# Altium PCB AMDC_uAMDC_Overlay.PcbDoc (part 2 of 6)
Units mil, origin at the board's own origin, x right, y up, seen from the top; angles counter-clockwise.
Board outline 4335 x 5120 mil, 6 copper layers (Top Layer, Int1 (GND), Int2 (Sign), Int3 (Sign), Int4 (PWR), Bottom Layer), stack 55.468 mil thick; 396 components, 471 nets, 2094 pads, 683 vias.
Unrouted connection lines stored in the file: 618.
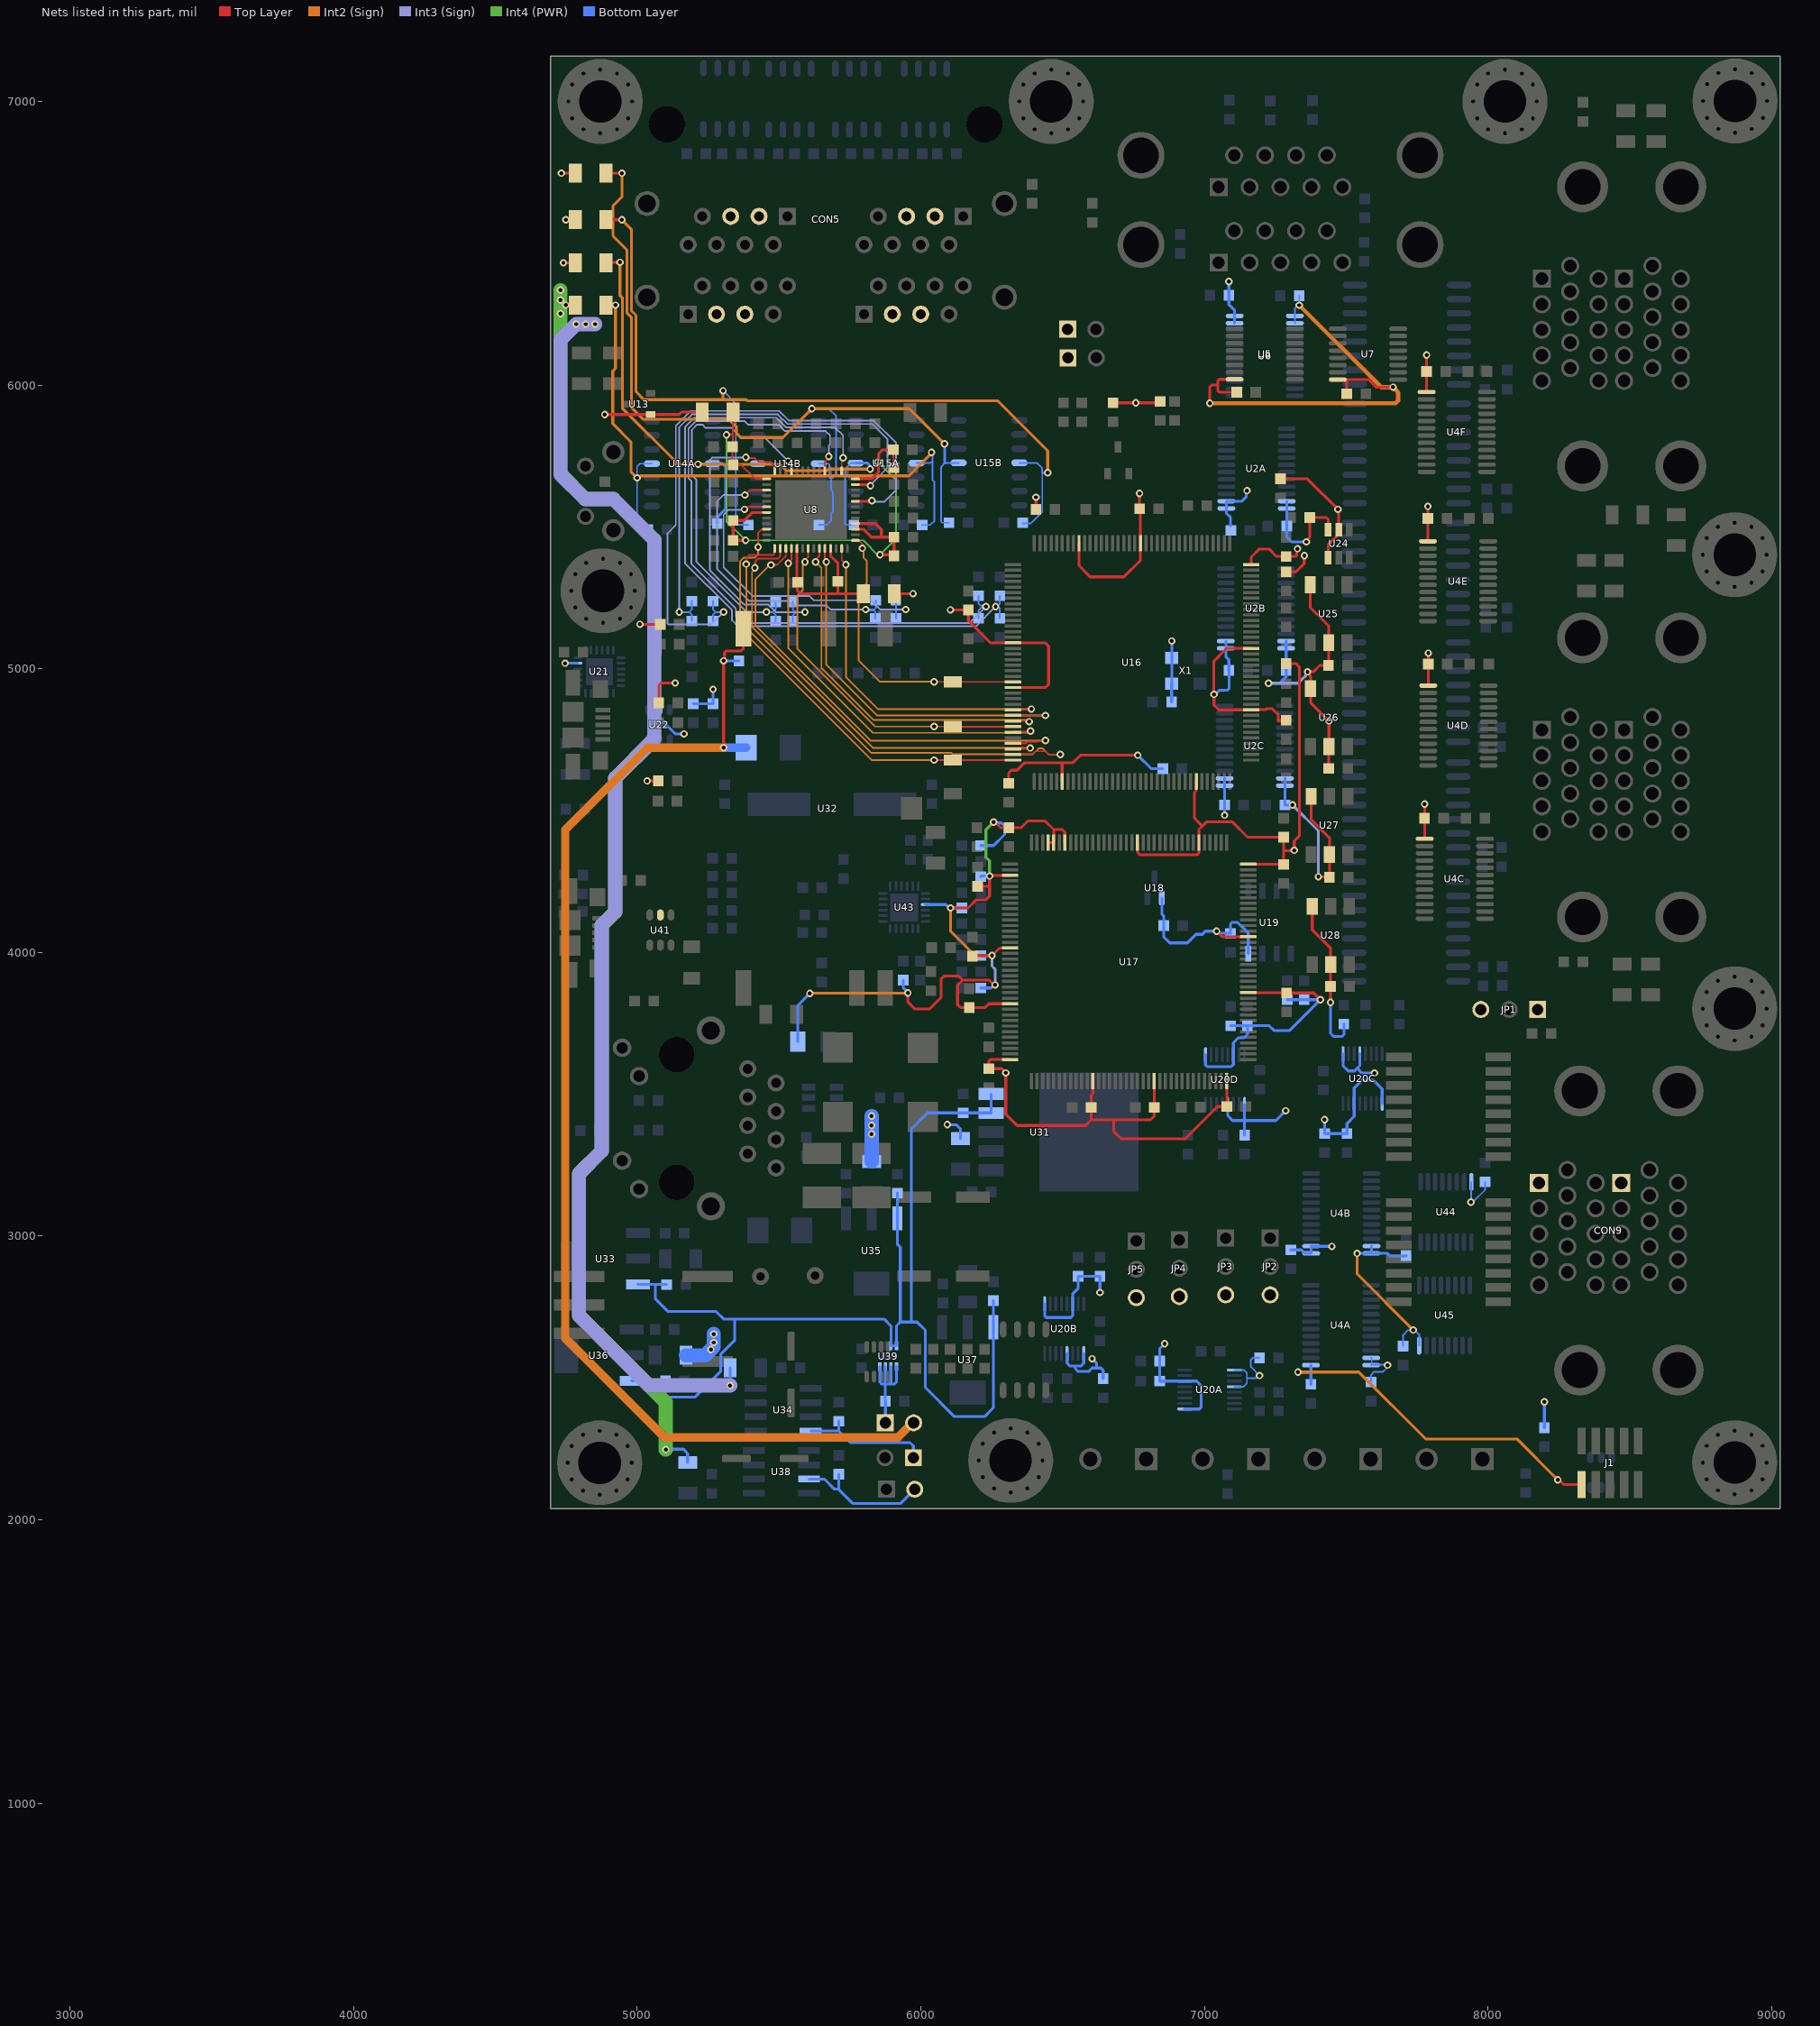
[diagram p5: the nets of this part, all layers, seen from the top]

## Footprints (in the part's own frame and the unit in brackets; to place one, negate y for a bottom-side part, rotate by r counter-clockwise, add the part's x,y. Pads: shape width x height; smd on the part's side, far side on the other; paste and mask are expansions set on the pad) (continued)
"SOIC16_N - wide" [mm]
  oval 2.2x0.6 smd: 1(0,0) 2(0,-1.27) 3(0,-2.54) 4(0,-3.81) 5(0,-5.08) 6(0,-6.35) 7(0,-7.62) 8(0,-8.89) 9(9.32,-8.89) 10(9.32,-7.62) 11(9.32,-6.35) 12(9.32,-5.08) 13(9.32,-3.81) 14(9.32,-2.54) 15(9.32,-1.27) 16(9.32,0)
  silkscreen extent -0.12,-9.45 7.62,0.97, body extent -0.55,-9.57 9.75,0.63, height 3.5
SOIC127P599X175-8N [mm]
  rect 1.97x0.6 smd: 1(-2.47,1.905) 2(-2.47,0.635) 3(-2.47,-0.635) 4(-2.47,-1.905) 5(2.47,-1.905) 6(2.47,-0.635) 7(2.47,0.635) 8(2.47,1.905)
  silkscreen extent -4.14,-2.52 1.95,2.52, body extent -1.96,-2.44 1.96,2.5, height 7.5
SOIC127P600X175-8N#1 [mm] "SOIC, 8-Leads, Body 4.90x3.90mm, Pitch 1.27mm, IPC Medium Density"
  oval 1.45x0.6 smd: 1(-2.725,1.905) 2(-2.725,0.635) 3(-2.725,-0.635) 4(-2.725,-1.905) 5(2.725,-1.905) 6(2.725,-0.635) 7(2.725,0.635) 8(2.725,1.905)
  silkscreen extent -2.85,-2.5 1.6,2.88, body extent -3,-2.5 3,2.5, height 1.75
SOIC127P600X175-8N#2 [mm]
  rect 1.422x0.533 smd: 1(-2.845,1.753) 2(-2.845,0.483) 3(-2.845,-0.787) 4(-2.845,-2.057) 5(2.743,-2.057) 6(2.743,-0.787) 7(2.743,0.483) 8(2.743,1.753)
  silkscreen extent -2.03,-2.72 1.93,2.41, body extent -2.08,-2.72 1.98,2.41, height 2
SOIC127P600X175-14N [mm] "SOIC, 14-Leads, Body 8.65x3.90mm, Pitch 1.27mm, IPC Medium Density"
  oval 1.45x0.6 smd: 1(-2.725,3.81) 2(-2.725,2.54) 3(-2.725,1.27) 4(-2.725,0) 5(-2.725,-1.27) 6(-2.725,-2.54) 7(-2.725,-3.81) 8(2.725,-3.81) 9(2.725,-2.54) 10(2.725,-1.27) 11(2.725,0) 12(2.725,1.27) 13(2.725,2.54) 14(2.725,3.81)
  silkscreen extent -2.85,-4.35 1.6,4.78, body extent -3,-4.35 3,4.35, height 1.75
SON50P200X80_HS-9N [mm] "SON, 8-Leads, Body 2.00x2.00mm, Pitch 0.50mm, Thermal Pad 1.60x0.69mm, IPC Medium Density"
  rect 0.8x0.3 smd: 1(-0.945,0.75) 2(-0.945,0.25) 3(-0.945,-0.25) 4(-0.945,-0.75) 5(0.945,-0.75) 6(0.945,-0.25) 7(0.945,0.25) 8(0.945,0.75)
  rect 0.69x1.6 smd: 9(0,0)
  silkscreen extent -1.5,-1.2 1.05,1.25, body extent -1.1,-1.05 1.1,1.05, height 0.8
SOT23-3 [mm] "SOT23, 3-Leads, Body 2.9x1.3mm, Pitch 0.95mm, Lead Span 2.3mm - Reverse Pinning, IPC High Density"
  rect 0.6x0.85 smd: 1(-0.888,-1.013) 2(1.012,-1.013) 3(0.062,1.137)
  silkscreen extent -1.44,-0.24 1.56,1.54, body extent -1.44,-0.64 1.56,0.76, height 1.1
SOT65P210X110-3N [mm]
  rrect50% 1.29x0.5 smd: 1(-0.815,0.732) 2(-0.815,-0.568) 3(1.005,0.082)
  silkscreen extent -2.08,-1.14 0.77,1.32, body extent -0.61,-1.12 0.76,1.32, height 1.6
SOT95P245X110-3N [mm] "SOT23, 3-Leads, Body 2.95x2.45mm, Pitch 0.95mm, IPC Medium Density"
  rect 1x0.6 smd: 1(-1.2,0.95) 2(-1.2,-0.95) 3(1.2,0)
  silkscreen extent -1.32,-1.55 0.7,1.92, body extent -1.3,-1.55 1.3,1.55, height 1.1
SOT95P280X145-6N [mm]
  rect 1.2x0.6 smd: 1(-1.25,0.95) 2(-1.25,0) 3(-1.25,-0.95) 4(1.25,-0.95) 5(1.25,0) 6(1.25,0.95)
  silkscreen extent -1.85,-1.45 0.3,1.6, body extent -0.76,-1.4 0.76,1.4, height 0.25
SOT230P700X180-4N#1 [mm] "SOT223, 4-Leads, Body 6.50x7.00mm (avg), Pitch 2.30mm, IPC Medium Density"
  rect 2.15x0.9 smd: 1(-2.925,2.3) 2(-2.925,0) 3(-2.925,-2.3)
  rect 2.15x3.2 smd: 4(2.925,0)
  silkscreen extent -3.05,-3.35 1.55,3.42, body extent -3.5,-3.35 3.5,3.35, height 1.8
SOT230P700X180-4N#2 [mm]
  rect 2.15x0.9 smd: 1(-2.941,2.307) 2(-2.941,0.007) 3(-2.941,-2.293)
  rect 2.15x3.2 smd: 4(2.909,0.007)
  silkscreen extent -3.07,-3.34 1.53,3.43, body extent -3.52,-3.34 3.48,3.36, height 1.8
TSOP65P280X100-8N [mm] "TSOP, 8-Leads, Body 2.90x1.60mm, Pitch 0.65mm, IPC Medium Density"
  oval 1.05x0.4 smd: 1(-1.325,0.975) 2(-1.325,0.325) 3(-1.325,-0.325) 4(-1.325,-0.975) 5(1.325,-0.975) 6(1.325,-0.325) 7(1.325,0.325) 8(1.325,0.975)
  silkscreen extent -1.45,-1.45 0.4,1.9, body extent -1.4,-1.45 1.4,1.45, height 1
TSOP65P640X120-16N [mm] "TSOP, 16-Leads, Body 5.00x4.40mm, Pitch 0.65mm, IPC Medium Density"
  oval 1.6x0.4 smd: 1(-2.7,2.275) 2(-2.7,1.625) 3(-2.7,0.975) 4(-2.7,0.325) 5(-2.7,-0.325) 6(-2.7,-0.975) 7(-2.7,-1.625) 8(-2.7,-2.275) 9(2.7,-2.275) 10(2.7,-1.625) 11(2.7,-0.975) 12(2.7,-0.325) 13(2.7,0.325) 14(2.7,0.975) 15(2.7,1.625) 16(2.7,2.275)
  silkscreen extent -2.83,-2.55 1.85,3.15, body extent -3.2,-2.55 3.2,2.55, height 1.2
TSOP65P640X120-24N [mm] "TSOP, 24-Leads, Body 7.80x4.40mm, Pitch 0.65mm, IPC Medium Density"
  oval 1.6x0.4 smd: 1(-2.7,3.575) 2(-2.7,2.925) 3(-2.7,2.275) 4(-2.7,1.625) 5(-2.7,0.975) 6(-2.7,0.325) 7(-2.7,-0.325) 8(-2.7,-0.975) 9(-2.7,-1.625) 10(-2.7,-2.275) 11(-2.7,-2.925) 12(-2.7,-3.575) 13(2.7,-3.575) 14(2.7,-2.925) 15(2.7,-2.275) 16(2.7,-1.625) 17(2.7,-0.975) 18(2.7,-0.325) 19(2.7,0.325) 20(2.7,0.975) 21(2.7,1.625) 22(2.7,2.275) 23(2.7,2.925) 24(2.7,3.575)
  silkscreen extent -2.82,-3.95 1.85,4.45, body extent -3.2,-3.95 3.2,3.95, height 1.2
TSOP95P280X110-6N [mm] "TSOP, 6-Leads, Body 3.00x1.50mm, Pitch 0.95mm, IPC Medium Density"
  oval 1x0.6 smd: 1(-1.35,0.95) 2(-1.35,0) 3(-1.35,-0.95) 4(1.35,-0.95) 5(1.35,0) 6(1.35,0.95)
  silkscreen extent -1.47,-1.55 0.45,1.93, body extent -1.38,-1.55 1.38,1.55, height 1.1
TSSOP50P490X110-16N [mm] "TSSOP, 16-Leads, Body 4.00x3.00mm, Pitch 0.50mm, IPC Medium Density"
  oval 1.35x0.254 smd mask+0.051: 1(-2.225,1.75) 2(-2.225,1.25) 3(-2.225,0.75) 4(-2.225,0.25) 5(-2.225,-0.25) 6(-2.225,-0.75) 7(-2.225,-1.25) 8(-2.225,-1.75) 9(2.225,-1.75) 10(2.225,-1.25) 11(2.225,-0.75) 12(2.225,-0.25) 13(2.225,0.25) 14(2.225,0.75) 15(2.225,1.25) 16(2.225,1.75)
  silkscreen extent -2.35,-2.05 1.15,2.57, body extent -2.45,-2.05 2.45,2.05, height 1.1
XTAL_ABLS-8.000MHZ-B2-T [mm]
  rect 5.6x2.1 smd: 1(-4.902,-0.178) 2(4.598,-0.178)
  silkscreen extent -5.85,-2.53 5.55,2.17, body extent -6.38,-2.55 6.32,2.15, height 4.16

## Part data
C1A C1B C1C C3A C3B C3C C4A C4B C4C C6A C6B C6C C7A C7B C7C C7D C7E C7F C8A C8B C8C C8D C8E C8F C9 C10 C11 C12 C18 C19 C21 C22 C23 C24 C26 C27 C28 C29 C31 C32 C33 C35 C45 C46 C48 C49 C52 C53 C54 C57 C58 C59 C62 C63 C73 C74 C75 C76 C77 C78 C79 C80 C81 C82 C83 C96A C96B C96C C96D C97A C97B C97C C97D C98 C101 C104 C105 C107 C108 C109 C110 C131 C138 C141 C144 C147 C148 C149 C150 C154 C156 C157 C159 C160: Supplier Part Number 1=1276-1012-1-ND, Supplier 1=Digi-Key
C2A C2B C2C C5A C5B C5C C17 C37A C37B C38A C38B C41A C41B C43A C43B C99 C100 C102 C103 C106 C111 C140 C145 C146: Supplier Part Number 1=1276-6524-1-ND, Supplier 1=Digi-Key
C13 C124 C125 C128 C129 C132 C133 C134 C135 C136 C139: Supplier Part Number 1=1276-1192-1-ND, Supplier 1=Digi-Key
C14 C15 C16 C20 C25 C30 C34: Supplier Part Number 1=1276-1119-1-ND, Supplier 1=Digi-Key
C36A C36B C39A C39B C40A C40B C42A C42B: Supplier Part Number 1=478-1548-1-ND, Supplier 1=Digi-Key
C68 C69: Supplier Part Number 1=490-12738-1-ND, Supplier 1=Digi-Key
C70 C71 C72: Supplier Part Number 1=311-4055-1-ND, Supplier 1=Digi-Key
C112 C113: Supplier Part Number 1=445-3919-1-ND, Supplier 1=Digi-Key
C116: "Polarized Capacitor (Radial)", Supplier Part Number 1=399-18141-1-ND, Supplier 1=Digi-Key
C117: "Polarized Capacitor (Radial)", Supplier Part Number 1=399-18135-1-ND, Supplier 1=Digi-Key
C122 C123: Supplier Part Number 1=709-1046-1-ND, Supplier 1=Digi-Key
C126: Supplier Part Number 1=490-18663-1-ND, Supplier 1=Digi-Key
C127: Supplier Part Number 1=445-9015-1-ND, Supplier 1=Digi-Key
C130 C137: Supplier Part Number 1=1276-2048-1-ND, Supplier 1=Digi-Key
C142 C143: "Polarized Capacitor (Radial)", Supplier Part Number 1=493-2203-1-ND, Supplier 1=Digi-Key
C151: library part Capacitor, "Capacitor", Supplier Part Number 1=709-1085-1-ND
C152 C158: library part Capacitor, "Capacitor", Supplier Part Number 1=311-3894-1-ND
C153: library part Capacitor, "Capacitor", Supplier Part Number 1=1276-6524-1-ND
C155: library part Capacitor, "Capacitor", Supplier Part Number 1=311-3494-1-ND
CON1 CON2 CON7 CON10: Supplier Part Number 1=277-1667-ND, Supplier 1=Digi-Key
CON3A CON3B CON9: "CONN D-SUB RCPT/RCPT 15/15POS RA", Supplier Part Number 1=NOR1832-ND, Supplier 1=Digi-Key
CON4: "CONN D-SUB RCPT 9POS R/A SLDR", Supplier Part Number 1=L17H2220131-ND, Supplier 1=Digi-Key
CON5: "CONN MOD JACK 8P8C R/A SHIELDED", Supplier Part Number 1=RJSAE538004-ND, Supplier 1=Digi-Key
CON6 CON8: "CONN RCPT MICRO USB TYPE AB", Supplier Part Number 1=A97799TR-ND, Supplier 1=Digi-Key
E1: "Power Line Ferrite Bead 1206 (3216 Metric) 4A 20mOhm", Supplier Part Number 1=490-16530-1-ND
J1: "SWD Connector Header Surface Mount 10 position 0.050\" (1.27mm)", Supplier Part Number 1=609-6533-ND
J2: "1 Port RJ45 Magjack Connector Through Hole 10/100 Base-TX, AutoMDIX", Supplier Part Number 1=553-1485-ND
JP1 JP2 JP3 JP4 JP5: Supplier Part Number 1=732-5316-ND, Supplier 1=Digi-Key
JP6 JP7 JP8 JP9 JP10: Supplier Part Number 1=732-5315-ND, Supplier 1=Digi-Key
L1: "100µH Unshielded Wirewound Inductor 1.1A 280mOhm Max Radial, Vertical Cylinder", Supplier Part Number 1=RLB0914-101KL-ND
L2: "CMC 450UH 6.5A 2LN TH", Supplier Part Number 1=732-2215-1-ND, Supplier 1=Digi-Key
LED1 LED3 LED6: Supplier Part Number 1=160-1446-1-ND, Supplier 1=Digi-Key
LED2: Supplier Part Number 1=160-1447-1-ND, Supplier 1=Digi-Key
LED4 LED5: Supplier Part Number 1=160-1448-1-ND, Supplier 1=Digi-Key
MH1 MH2 MH3 MH4 MH5 MH6 MH7 MH8 MH9 MH10: "MOUNTING HOLE"
Q1: Supplier Part Number 1=FDV301NCT-ND, Supplier 1=Digi-Key
Q2: library part SI4946CDY-T1-GE3, "MOSFET N-CHAN DUAL 60V SO-8", Supplier Part Number 1=SI4946CDY-T1-GE3CT-ND, Supplier 1=Digi-Key
R1A R1B R16 R33 R52 R83 R107: Supplier Part Number 1=P0.0GCT-ND, Supplier 1=Digi-Key
R2 R3 R4 R5 R6 R7 R8 R9 R17 R18 R19 R20 R21 R22 R23 R24 R34 R66 R67 R71 R72 R73 R74 R75 R76 R77: Supplier Part Number 1=311-0.0ERCT-ND, Supplier 1=Digi-Key
R10 R11 R12 R13 R14 R15 R35A R35B R36A R36B R37A R37B R38A R38B R50 R59 R60: Supplier Part Number 1=YAG3561CT-ND, Supplier 1=Digi-Key
R25 R26 R27 R28 R29 R30 R31 R32: Supplier Part Number 1=311-100KLDCT-ND, Supplier 1=Digi-Key
R39 R40 R43 R44 R45 R46 R87 R88 R89 R93 R98 R100: Supplier Part Number 1=541-5136-1-ND, Supplier 1=Digi-Key
R41 R51 R53 R54 R68 R69 R97: Supplier Part Number 1=311-470LDCT-ND, Supplier 1=Digi-Key
R42 R57 R58: Supplier Part Number 1=541-4038-1-ND, Supplier 1=Digi-Key
R47A R47B R47C R47D R48A R48B R48C R48D: Supplier Part Number 1=311-2.80KHRCT-ND, Supplier 1=Digi-Key
R49A R49B R49C R49D R70: Supplier Part Number 1=311-1.20KHRCT-ND, Supplier 1=Digi-Key
R55 R56 R61: Supplier Part Number 1=P10.0KHCT-ND, Supplier 1=Digi-Key
R78 R80: Supplier Part Number 1=541-5.90MHCT-ND, Supplier 1=Digi-Key
R79 R82: Supplier Part Number 1=311-178KHRCT-ND, Supplier 1=Digi-Key
R81: Supplier Part Number 1=311-121KHRCT-ND, Supplier 1=Digi-Key
R84 R85 R86 R90: Supplier Part Number 1=541-3318-1-ND, Supplier 1=Digi-Key
R91 R92 R95 R101: Supplier Part Number 1=RMCF0603FT33R0CT-ND, Supplier 1=Digi-Key
R94: Supplier Part Number 1=541-5158-1-ND, Supplier 1=Digi-Key
R96: Supplier Part Number 1=RMCF0603FT1K50CT-ND, Supplier 1=Digi-Key
R99 R102: Supplier Part Number 1=541-270HCT-ND, Supplier 1=Digi-Key
R103 R104 R105 R106: Supplier Part Number 1=311-120HRCT-ND, Supplier 1=Digi-Key
SW1: "SWITCH TACTILE SPST-NO 0.05A 24V", Supplier Part Number 1=450-1662-ND, Supplier 1=Digi-Key
T1 T2: "XFRMR MAGNETIC 1PORT 1:1 10/100", Supplier Part Number 1=553-1536-1-ND, Supplier 1=Digi-Key
TP1 TP2 TP3 TP4: Supplier Part Number 1=A106145CT-ND, Supplier 1=Digi-Key
U1A U1B U1C U3A U3B U3C: "IC MOSFET DVR QUAD AND 16SOIC", Supplier Part Number 1=TC4468COE-ND, Supplier 1=Digi-Key
U2A U2B U2C U6: library part SN74LVC8T245PWR, "IC BUS TRANSCVR 8BIT 24TSSOP", Supplier Part Number 1=296-18593-1-ND, Supplier 1=Digi-Key
U4A U4B U4C U4D U4E U4F: "IC BUS TRANSCVR 8BIT 24TSSOP", Supplier Part Number 1=296-18593-1-ND, Supplier 1=Digi-Key
U5 U7 U45: "IC RCVR RS422 QUAD DIFF 16TSSOP", Supplier Part Number 1=296-30088-1-ND, Supplier 1=Digi-Key
U8: "IC ADC 14BIT 1.5MSPS SAR 52QFN - 14 Bit Analog to Digital Converter 8 Input 4 SAR 52-QFN (7x8)", Supplier Part Number 1=LTC2320CUKG-14#PBF-ND, Supplier 1=Digi-Key
U9 U10 U11 U12: "TVS DIODE 12V 19V 8SO", Supplier Part Number 1=1655-1701-1-ND, Supplier 1=Digi-Key
U13: "Series Voltage Reference IC ±0.2% 25mA SOT-23-3", Supplier Part Number 1=REF3020AIDBZTCT-ND, Supplier 1=Digi-Key
U14A U14B U15A U15B: "IC OPAMP DIFF 150KHZ 14SOIC", Supplier Part Number 1=INA2143UA-ND, Supplier 1=Digi-Key
U16: "IC FPGA 107 I/O 144TQFP", Supplier Part Number 1=220-1572-ND
U17: "DSP - LQFP 144 20X20X1.4 2", Supplier Part Number 1=497-18568-ND
U18: "8MHz XO (Standard) CMOS Oscillator 2.7V ~ 5.5V SC-70, SOT-323", Supplier Part Number 1=MAX7375AXR805+TCT-ND
U19: "EEPROM Memory IC 8Kb (1K x 8) I²C 400kHz 900ns 8-SO", Supplier Part Number 1=497-8637-1-ND
U20A U20B U20C U20D: "IC INTERFACE SPECIALIZED 16MSOP", Supplier Part Number 1=LTC6820IMS#TRPBFCT-ND, Supplier 1=Digi-Key
U21: "IC USB TO UART BRIDGE QFN24", Supplier Part Number 1=336-5888-1-ND, Supplier 1=Digi-Key
U22 U23 U41: "TVS DIODE 5.5V 10V 6TSOP", Supplier Part Number 1=NUP4114HMR6T1GOSCT-ND, Supplier 1=Digi-Key
U24: "TXRX XLATING DUAL 3ST 6TSSOP", Supplier Part Number 1=1727-4560-1-ND, Supplier 1=Digi-Key
U25 U26 U27 U28: "LED RGB 5050 SMD", Supplier Part Number 1=1830-1107-1-ND, Supplier 1=Digi-Key
U29: "Isolated Module DC DC Converter 2 Output 15V -15V 100mA, 100mA 18V - 36V Input", Supplier Part Number 1=102-PQP3-D24-D15-M-ND
U31: "IC REG LINEAR 5V 3A 5DDPAK", Supplier Part Number 1=LT1529CQ-5#PBF-ND, Supplier 1=Digi-Key
U32: "Isolated Module DC DC Converter 1 Output 5V 1.2A 18V - 36V Input", Supplier Part Number 1=102-6611-ND
U33 U36: "IC REG LINEAR 3.3V 1A SOT223", Supplier Part Number 1=AP2114H-3.3TRG1DICT-ND, Supplier 1=Digi-Key
U34: "Linear Voltage Regulator IC 1 Output 100mA 8-SOIC", Supplier Part Number 1=296-15054-1-ND
U35: "Linear Voltage Regulator IC 1 Output 1A SOT-223", Supplier Part Number 1=AP2114H-1.8TRG1DICT-ND
U37: "IC REG LINEAR 1.2V 1A SOT223", Supplier Part Number 1=AP2114H-1.2TRG1DICT-ND
U38: "Linear Voltage Regulator IC 1 Output 100mA 8-SOIC", Supplier Part Number 1=LM79L12ACMX/NOPBCT-ND
U39: "IC LOAD SWITCH 6A 8WSON", Supplier Part Number 1=296-34943-1-ND, Supplier 1=Digi-Key
U40: library part LTC4365CTS8#TRMPBF, "IC OVERVOLTAGE PROT TSOT23-8", Supplier Part Number 1=LTC4365CTS8#TRMPBFCT-ND, Supplier 1=Digi-Key
U42: "17V Clamp 5A (8/20µs) Ipp Tvs Diode Surface Mount SOT-23-6", Supplier Part Number 1=497-4492-1-ND
U43: "1/1 Transceiver Ethernet 24-SQFN (4x4)", Supplier Part Number 1=LAN8742A-CZ-CT-ND
U44: "IC DRIVER 4/0 16TSSOP", Supplier Part Number 1=296-30087-1-ND, Supplier 1=Digi-Key
X1: "10MHz XO (Standard) LVCMOS Oscillator 1.8V ~ 3.3V Standby (Power Down) 4-SMD, No Lead", Supplier Part Number 1=535-11762-1-ND
X2: "25MHz ±20ppm Crystal 18pF 40 Ohms HC-49/US", Supplier Part Number 1=535-9078-1-ND

## Via types
v1: diameter 26, hole 14, Top Layer to Bottom Layer, tented both sides, 326 vias
v2: diameter 26, hole 14, Top Layer to Bottom Layer, 288 vias
v3: diameter 24, hole 14, Top Layer to Bottom Layer, 57 vias
v4: diameter 24, hole 14, Top Layer to Bottom Layer, tented both sides, 5 vias
v5: diameter 19.68, hole 7.87, Top Layer to Bottom Layer, 4 vias
v6: diameter 60, hole 20, Top Layer to Bottom Layer, tented both sides, 3 vias

## Nets (pads, with @x,y where several pads share a name; then routed paths per layer and width w, separated by ;. In a path a pad name is that pad's centre, name@x,y a point inside that pad or via, vN(x,y) a via of type N, cw(c..) or ccw(c..) an arc to the next point about the centre after c; other vN are vias at no path point)
1.8V: C4A.2 C4B.2 C4C.2 C8C.1 C8D.1 C8E.1 C8F.1 C12.1 C45.1 C48.1 C49.1 C106.1 JP2.3 JP3.3 JP4.3 JP5.3 R18.1 R40.1 R51.2 R53.2 R54.2 R55.1 R56.1 R75.1 U2A.1 U2A.2 U2B.1 U2B.2 U2C.1 U2C.2 U4C.1 U4D.1 U4E.1 U4F.1 U6.23 U6.24 U16.46 U16.57 U16.89 U16.100 U16.123 U16.131 U21.5 U24.1 U24.5 | length 4225.8
  Top Layer w10: v2(5010.03,5156.75) R53.2@5081.54,5156.75 ; v2(5035.46,4604.75) R54.2@5074.54,4604.75 ; R51.2@5076.41,4879.75 5076.41,4940.57 5085.83,4950 v1(5134.17,4950) ; R18.1@5906.13,5265 v1(5972.8,5265) ; v1(6105,5207.54) C45.1@6168,5207.54 6168,5169.49 6246.01,5091.48 U16.123@6325,5091.48 6439.28,5091.48 6451,5079.76 6451,4945.04 6439.96,4934 U16.131@6325,4934 ; U16.100@6558.07,5442.66 6558.07,5363.37 6597.44,5324 6716.4,5324 6774.61,5382.21 U16.89@6774.61,5442.66 6774.61,5560.93 C48.1@6771.54,5564 v2(6771.54,5618.33) ; U16.57@7165.16,5071.8 7077.86,5071.8 7033.5,5027.44 7033.5,4910.5 v1(7034,4910) 7034,4872.12 7050.86,4855.26 U16.46@7165.16,4855.26 7165.9,4856 7217.06,4856 7220.06,4859 7239.94,4859 7260,4838.94 7260,4817.12 7260.16,4816.96 7286.5,4816.96 C49.1@7288,4818.46 ; C106.1@7268.7,5669.46 7363.6,5669.46 7473.78,5559.28 7473.78,5474.4 7436.38,5437 U24.1@7436.38,5392.05 ; R40.1@7288,5341.48 7322.67,5341.48 7351.92,5370.73 7351.92,5398.08 v2(7352.57,5398.73) ; v1(7776.54,4523.01) C8C.1@7776.54,4473 7776.7,4472.83 U4C.1@7776.7,4400.75 ; U4F.1@7783.7,5975.75 C8F.1@7783.7,6047.98 v1(7783.7,6105.95) ; v1(7788.1,5572.4) 7788.1,5530.24 C8E.1@7788.4,5529.94 U4E.1@7788.4,5449.59 ; U4D.1@7789.7,4940.75 C8D.1@7789.7,5016.83 v1(7789.7,5055)
  Bottom Layer w10: v2(4746.23,5019.31) U21.5@4791.37,5019.31 ; R55.1@5198,4876.59 R56.1@5268,4876.59 5268,4927.5 v2(5267.75,4927.75) ; v1(7034,4910) 7038.33,4910 7052.3,4923.97 7081.08,4923.97 7086.93,4929.83 7086.93,4993.73 C4B.2@7086.66,4994 7086.66,5031.76 7075.7,5042.72 U2B.1@7075.7,5072.25 U2B.2@7075.7,5097.84 ; v1(7071.4,4484) U2C.1@7071.4,4588.09 U2C.2@7071.4,4613.69 ; v1(7086.46,6365) C12.1@7086.46,6317 7086.46,6283.54 7106.7,6263.3 U6.24@7106.7,6243.75 U6.23@7106.7,6218.16 ; C4A.2@7092.54,5502.75 7092.54,5533.65 7077.95,5548.24 7077.95,5565 U2A.1@7077.7,5565.25 U2A.2@7077.7,5590.84 7132.92,5590.84 7147.47,5605.4 7147.47,5625.06 v1(7150.54,5628.13)
  Bottom Layer w50: R75.1@5826.73,3262.88 v1(5826.73,3423.27)
  other v1: 5826.73,3359.91 5826.73,3390 7470.91,5562.15
3.3V: C8A.1 C8B.1 C52.1 C57.1 C58.1 C59.1 C71.2 C72.2 C73.2 C74.2 C75.2 C76.2 C77.2 C78.2 C79.2 C80.2 C81.2 C82.2 C83.2 C96A.2 C96B.2 C96C.2 C96D.2 C149.2 E1.1 J1.1 JP1.1 R39.1 R43.1 R44.2 R45.2 R47A.2 R47B.2 R47C.2 R47D.2 R57.1 R58.1 R74.1 R87.1 R88.1 R89.1 R96.2 R98.2 U4A.1 U4B.1 U4B.2 U16.6 U16.30 U16.72 U17.6 U17.17 U17.30 U17.32 U17.33 U17.39 U17.52 U17.62 U17.72 U17.84 U17.95 U17.108 U17.121 U17.131 U17.144 U18.1 U19.8 U20A.1 U20A.6 U20B.1 U20B.6 U20C.1 U20C.6 U20D.1 U20D.6 U43.9 X1.1 X1.4 | length 12802.1
  Top Layer w10: v1(5954.5,3857.52) 5954.5,3825.42 5978.92,3801 6031,3801 6072,3842 6072,3906.6 6081.87,3916.46 6134.22,3916.46 6148.14,3902.54 ; v2(6105.15,4157) 6167,4157 6195,4185 6228.34,4185 6242.5,4199.16 6242.5,4233.28 ; C75.2@6182,3987.07 6183.93,3989 v1(6251.5,3989) 6278.12,4015.62 6314.2,4015.62 U17.52@6314.71,4016.13 ; C74.2@6200.76,4233.28 6242.5,4233.28 ; v1(6257.11,4459.68) 6261.44,4459.68 6281.41,4439.71 6354.08,4439.71 6378.08,4463.71 6438.54,4463.71 6469.04,4433.21 ; v1(6262,3885.46) 6257.67,3885.46 6240.6,3902.54 6148.14,3902.54 ; C52.1@6310,4596.46 6310,4632.53 6319.91,4642.44 6340,4642.44 6366.56,4669 6498.5,4669 ; U17.72@6314.71,3622.43 6245.86,3622.43 6240,3616.58 C77.2@6240,3590.46 6285.16,3590.46 v2(6300,3575.63) 6300,3430 6340,3390 6580.93,3390 6600.93,3410 ; U17.62@6314.71,3819.28 6240.84,3819.28 6227.06,3805.5 C76.2@6171,3805.5 6140.67,3805.5 6130,3816.17 6130,3884.39 6148.14,3902.54 ; U17.39@6314.71,4272.04 6314.2,4271.53 6244.5,4271.53 v1(6242.5,4269.52) 6242.5,4233.28 ; C59.1@6406.5,5562.14 v2(6406.5,5604.77) ; U17.33@6449.35,4387 U17.32@6469.04,4387 6469.04,4433.21 ; U16.6@6499.02,4602.5 6498.5,4603.02 6498.5,4669 ; U17.30@6508.41,4387 6507.9,4387.51 6507.9,4424.32 6499.02,4433.21 6469.04,4433.21 ; U17.84@6606.83,3546.84 6607,3546.68 6607,3502 6600.64,3495.64 6600.64,3454.29 C78.2@6600.93,3454 6600.93,3410 ; R57.1@6678,5937.46 6838.88,5937.46 R58.1@6843.87,5942.46 ; U17.17@6764.31,4387 6764.83,4386.49 6764.83,4352.39 6773.21,4344.01 6974.86,4344.01 6980.34,4349.49 6980.34,4386.49 U17.6@6980.85,4387 6980.85,4433.34 6994.18,4446.67 ; v1(6765,4695.34) 6562.72,4695.34 6536.38,4669 6498.5,4669 ; U17.95@6823.37,3546.84 6823.37,3454.09 C79.2@6823.46,3454 6823.46,3423.67 6809.8,3410 6681,3410 ; U16.30@6971.46,4602.5 6970.94,4601.99 6970.94,4569.89 6964.86,4563.8 6964.86,4473.48 6991.67,4446.67 6994.18,4446.67 ; v1(7043.15,4075.12) 7043.52,4075.12 7063.13,4055.5 U17.131@7154.87,4055.5 ; U17.108@7079.28,3546.84 7079.28,3457.26 C80.2@7079.54,3457 7046.01,3457 6932.01,3343 6706.11,3343 6681,3368.11 6681,3410 ; U17.121@7154.87,3858.65 7288.81,3858.65 C81.2@7290,3857.46 7385.22,3857.46 v1(7409.15,3833.54) ; U17.144@7154.87,4311.41 7279.06,4311.41 C82.2@7280,4310.46 7280,4358.5 ; U16.72@7165.16,5367.07 7165.16,5393.47 7194,5422.31 7227.97,5422.31 7254.3,5395.98 C58.1@7288,5395.98 7322.72,5395.98 7325.52,5398.78 7325.52,5420.19 v2(7328.58,5423.25) ; R39.1@7288,5018.65 7322.86,5018.65 7335,5006.5 7335,4410.91 7317.11,4393.02 v2(7317.11,4360) 7315.61,4358.5 7280,4358.5 ; v2(8246,2141) 8250.33,2141 8267.1,2124.23 J1.1@8330,2124.23 ; 6600.93,3410 6681,3410 ; 6994.18,4446.67 7007.51,4460 7098.81,4460 7152.28,4406.54 C83.2@7280,4406.54 7280,4358.5